# Altium PCB 4WD_V1.0 - 8.5完工.PcbDoc
Units mm, origin at the board's own origin, x right, y up, seen from the top; angles counter-clockwise.
Board outline 85 x 85 mm, 2 copper layers (Top Layer, Bottom Layer); 48 components, 40 nets, 179 pads, 0 vias.
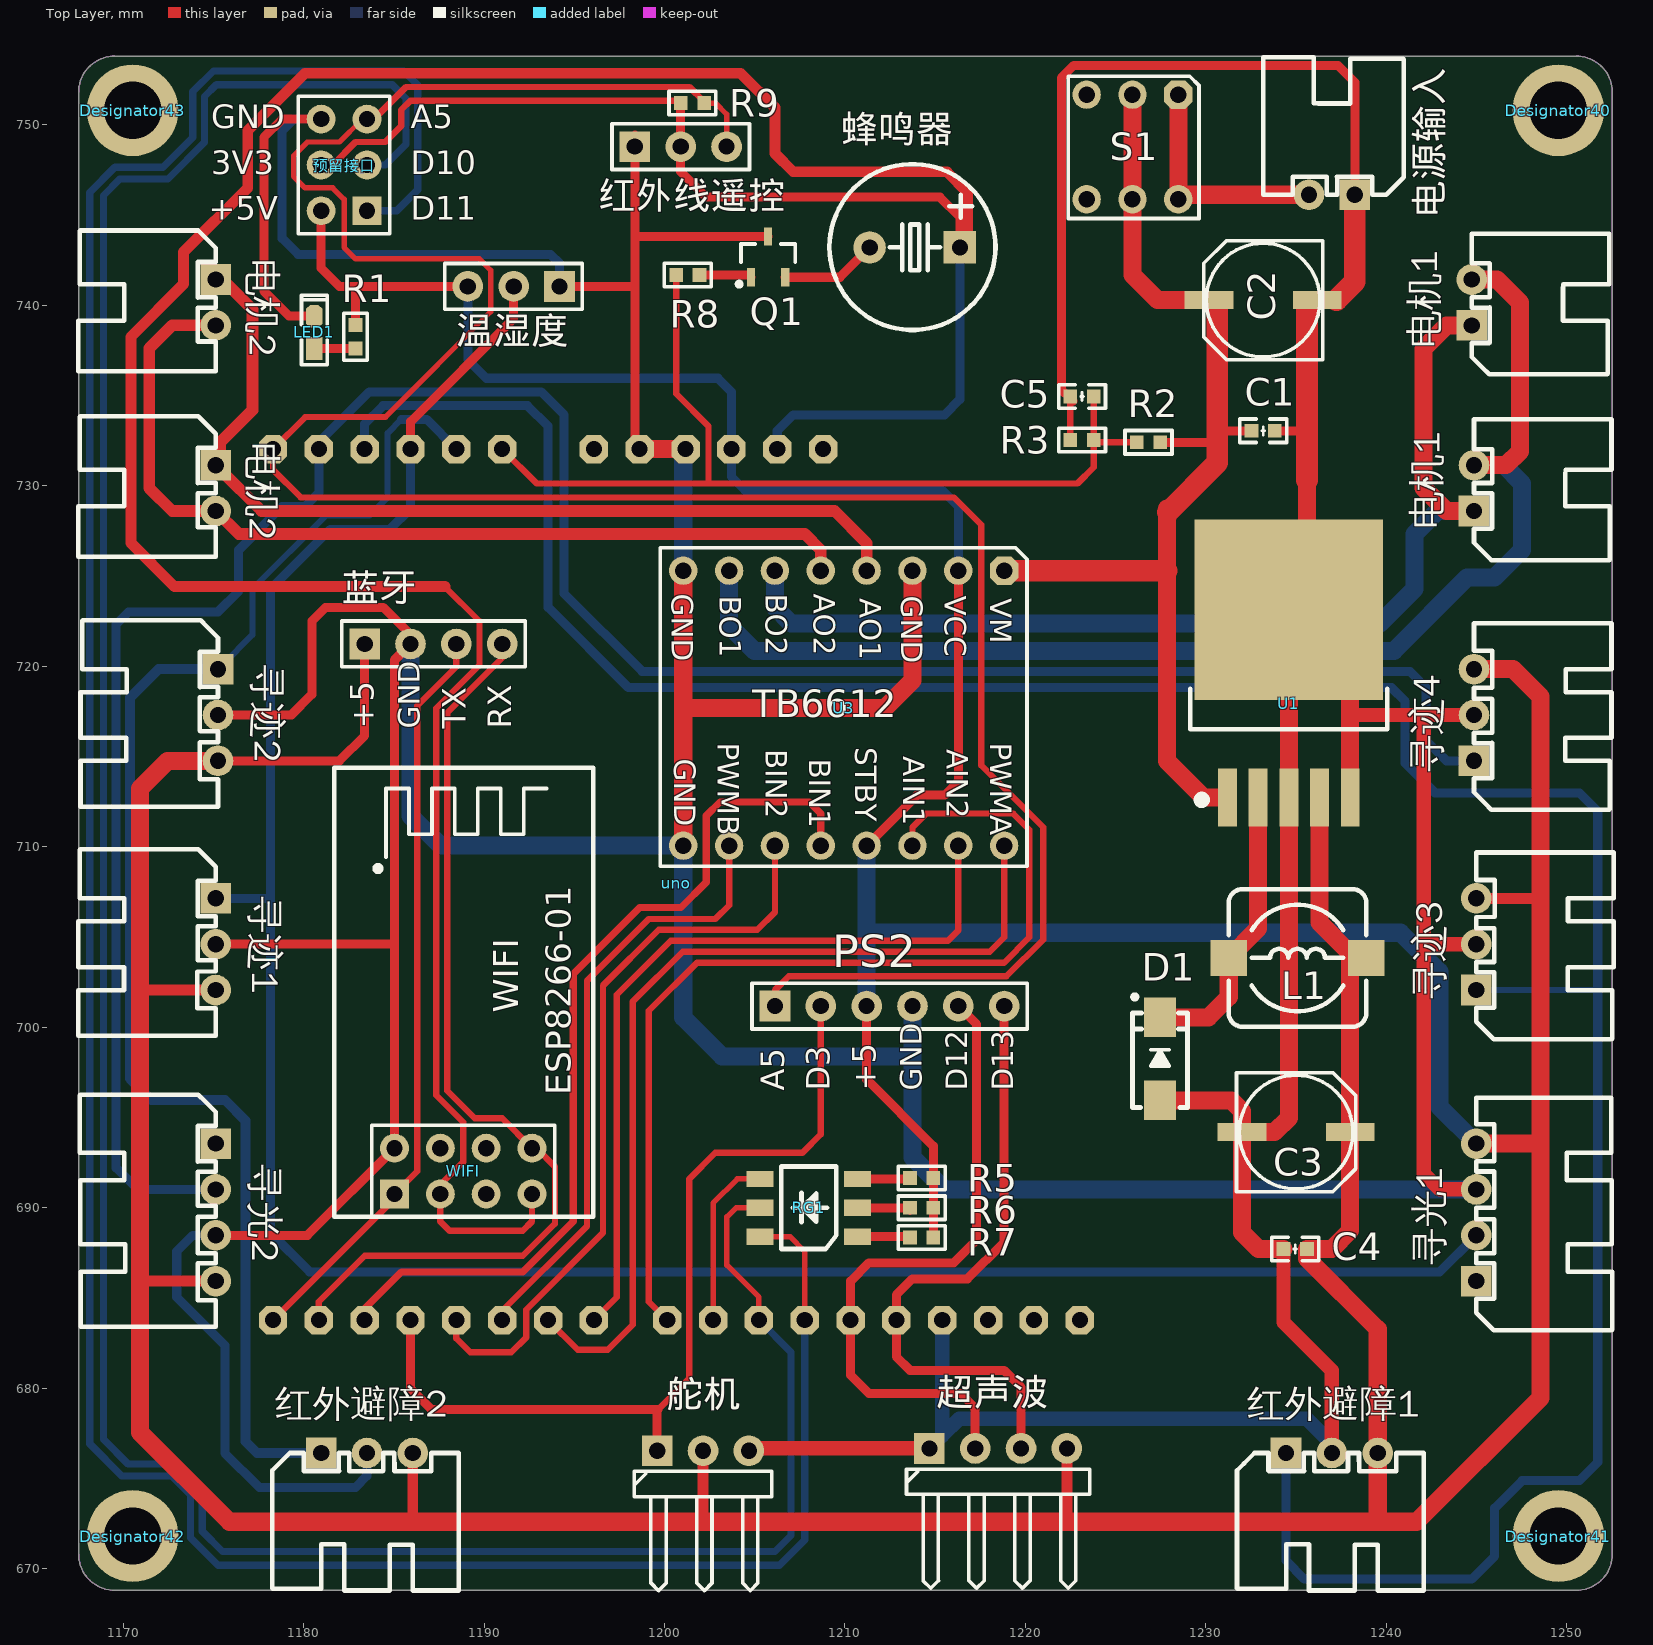
[diagram p0: Top Layer view]
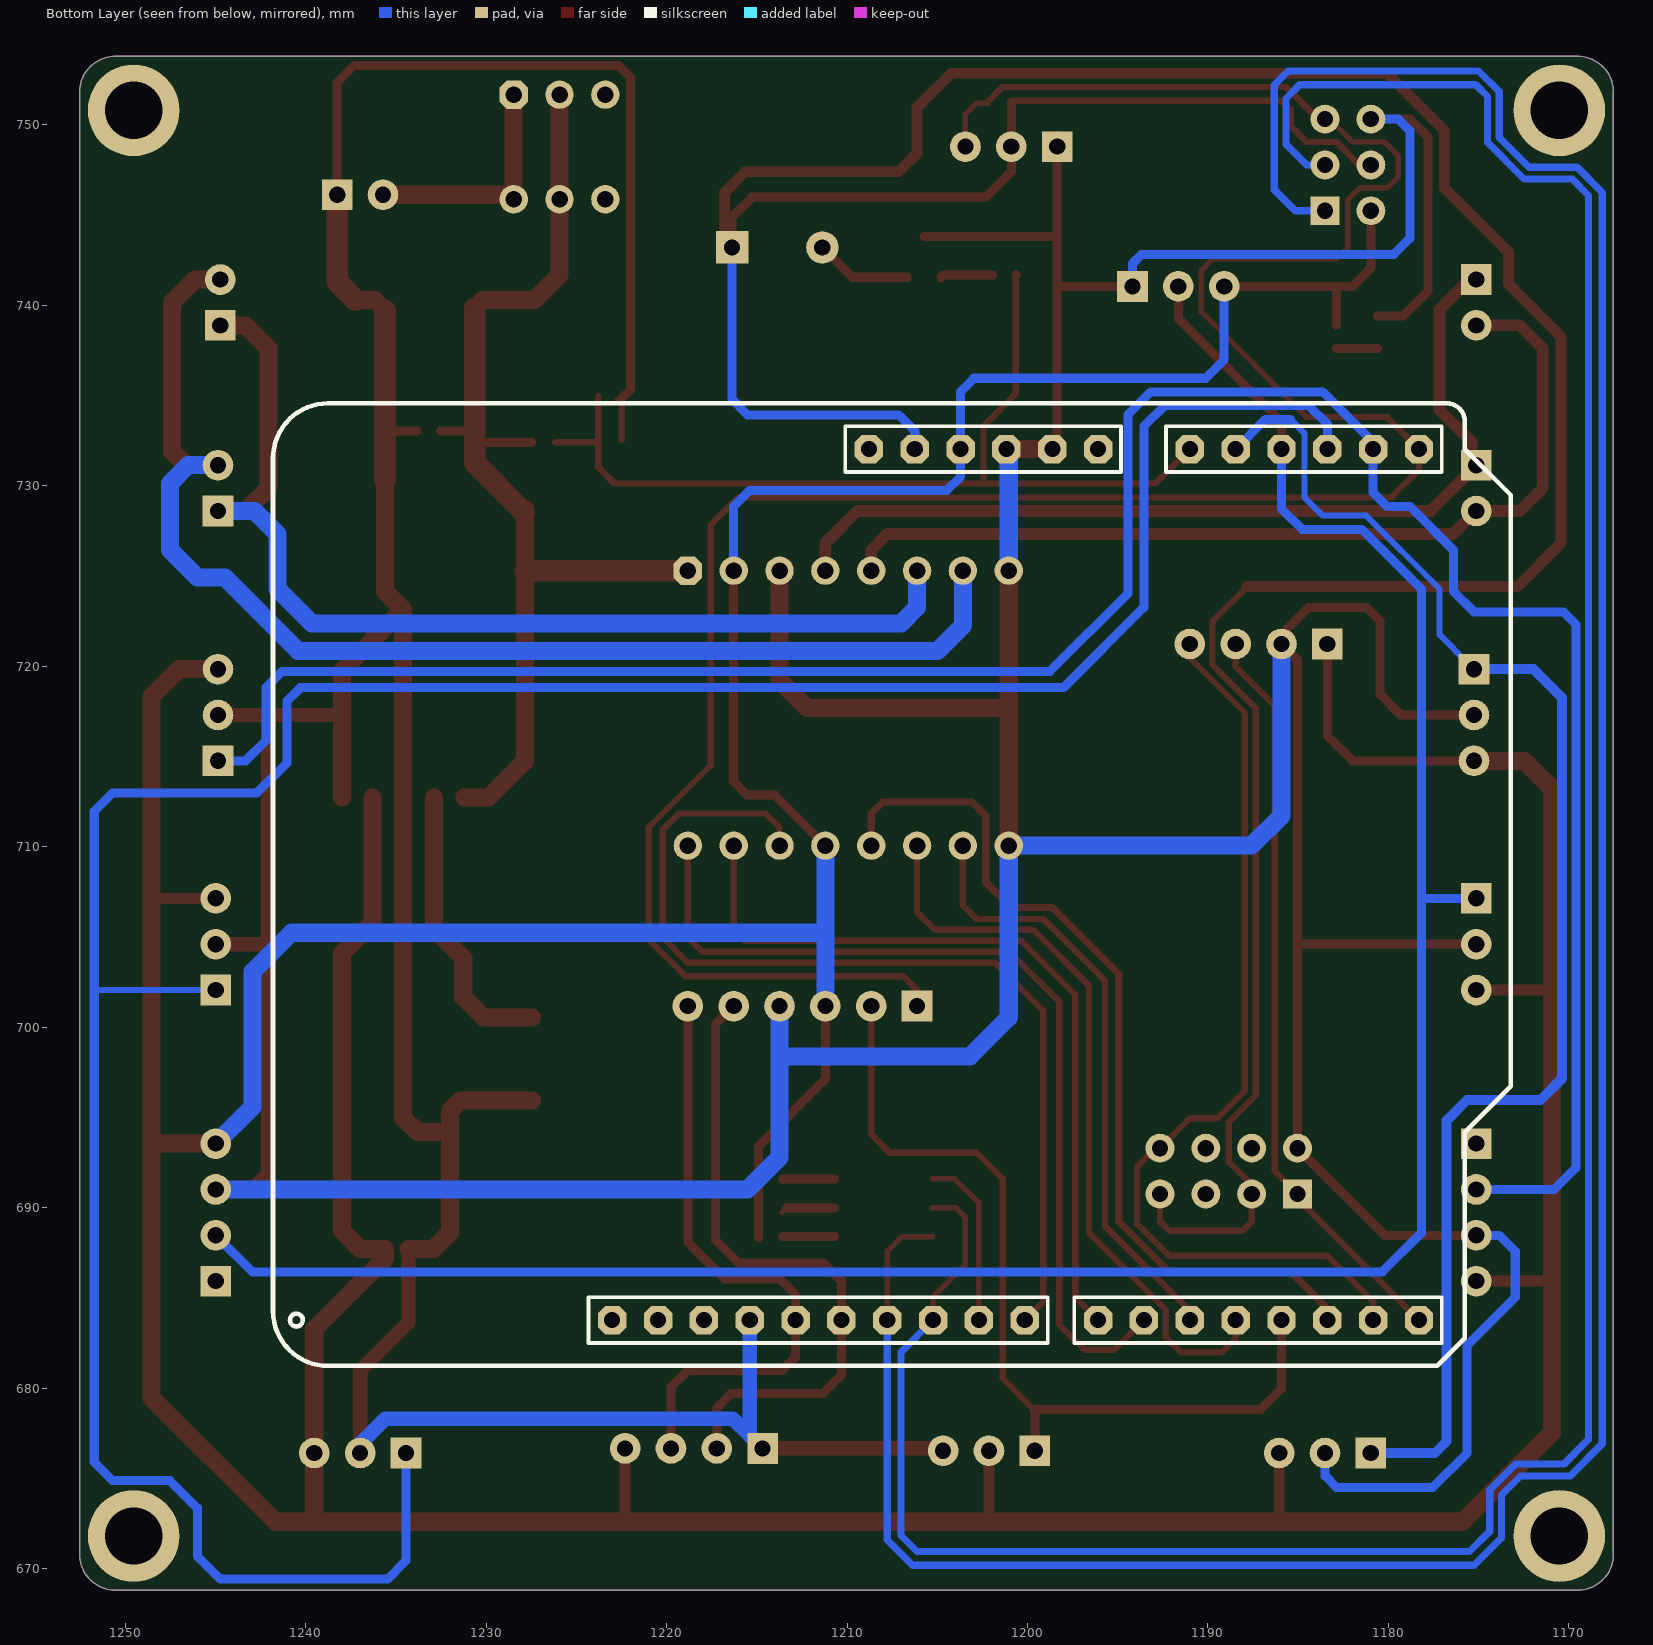
[diagram p1: Bottom Layer view, seen from below]

## Layer stack, top to bottom
Top Solder: solder mask 0.0102, Solder Resist, Dk 3.5
Top Layer: signal copper 0.0356
Dielectric 1: dielectric 0.32, FR-4, Dk 4.8
Bottom Layer: signal copper 0.0356
Bottom Solder: solder mask 0.0102, Solder Resist, Dk 3.5

## Board outline
1167.528,670.802 ccw(c1169.528,670.802) 1169.528,668.802 1250.528,668.802 ccw(c1250.528,670.802) 1252.528,670.802 1252.528,751.802 ccw(c1250.528,751.802) 1250.528,753.802 1169.528,753.802 ccw(c1169.528,751.802) 1167.528,751.802

## Design rules (kind name [scope] priority, off if disabled: settings)
Clearance [All] p1: gap=0.254
PolygonConnect [All] p1: connectstyle=Relief reliefconductorwidth=0.254 reliefentries=4 polygonreliefangle="90 Angle" airgapwidth=0.254
RoutingVias [All] p1: holewidth=0.711 width=1.27 viastyle="Through Hole" minholewidth=0.711 minwidth=1.27 maxholewidth=0.711 maxwidth=1.27
SolderMaskExpansion [All] p1: expansion=0.102
Width [All] p1: maxlimit=10 minlimit=0.254 preferedwidth=0.254
30 further rules are at their usual default settings.

## Classes and differential pairs
component class 4WD_V1.0: C1 C2 C3 C4 C5 D1 LED1 PS2 Q1 R1 R2 R3 R5 R6 R7 R8 R9 RG1 S1 U1 U3 WIFI 寻光1 寻光2 寻迹1 寻迹2 寻迹3 寻迹4 温湿度 电源输入 红外线遥控 红外避障1 红外避障2 舵机 蓝牙 蜂鸣器 超声波 预留接口

## Components (designator, comment, footprint, x,y, rotation, side; value= is the part's Value field where it differs from the comment)
C1 "Cap" "C 0603_L" 1233.17,733.044 r180 top
C2 "CAP4 电解电容" CAP6.3 1233.17,740.283 r0 top
C3 "CAP4 电解电容" CAP6.3 1234.996,694.182 r180 top
C4 "Cap" "C 0603_L" 1234.948,687.705 r0 top
C5 "Cap" "C 0603_L" 1223.137,734.949 r180 top
D1 "esd2" SMA 1227.455,698.246 r90 top
Designator40 "Comment" M3x10_L 1249.528,750.802 r0 top locked
Designator41 "Comment" M3x10_L 1249.528,671.802 r0 top locked
Designator42 "Comment" M3x10_L 1170.528,671.802 r0 top locked
Designator43 "Comment" M3x10_L 1170.528,750.802 r0 top locked
L1 "Comment" CDRH74 1235.075,703.834 r0 top
LED1 "LED3" "LED 0603Y" 1180.592,738.505 r90 top
PS2 "Header 6" HDR2.54-LI-6P 1212.469,701.167 r0 top (schematic designator P_PS2)
Q1 "8550" SOT23-3L 1205.738,742.696 r0 top
R1 "Res2" "R 0603_L" 1182.878,738.251 r270 top
R2 "Res2" "R 0603_L" 1226.82,732.409 r180 top
R3 "Res2" "R 0603_L" 1223.137,732.536 r180 top
R5 "Res2" "R 0603_L" 1214.247,691.642 r180 top
R6 "Res2" "R 0603_L" 1214.247,689.991 r180 top
R7 "Res2" "R 0603_L" 1214.247,688.34 r180 top
R8 "Res2" "R 0603_L" 1201.293,741.68 r180 top
R9 "Res2" "R 0603_L" 1201.547,751.205 r0 top
RG1 "RGB_LED_6" "LED 5050" 1207.986,689.991 r180 top
S1 "开关" SWITCH_SELFLOCKING 1228.471,751.671 r180 top locked
U1 "LM2596-5" TO263-5A 1234.596,712.724 r0 top
U3 "TB6612" TB6612 1218.819,725.297 r180 top
uno "Comment" UNO_PIN_back 1178.306,683.768 r0 top locked
WIFI "Header 4X2" wifi 1188.847,692.023 r90 top locked
寻光1 "Header 4" XH2.54-WI-4P 1244.981,689.737 r90 top locked (schematic designator PSEEKLIGHT1)
寻光2 "Header 4" XH2.54-WI-4P 1175.131,689.737 r270 top locked (schematic designator PSEEKLIGHT2)
寻迹1 "Header 3" XH2.54-WI-3P 1175.131,704.596 r270 top locked (schematic designator PTRACING1)
寻迹2 "Header 3" XH2.54-WI-3P 1175.258,717.296 r270 top locked (schematic designator PTRACING2)
寻迹3 "Header 3" XH2.54-WI-3P 1244.981,704.596 r90 top locked (schematic designator PTRACING3)
寻迹4 "Header 3" XH2.54-WI-3P 1244.854,717.296 r90 top locked (schematic designator PTRACING4)
温湿度 "温湿度" HDR2.54-M-LI-3P 1191.641,741.045 r180 top (schematic designator P_TMP_WET)
电机1 "Comment" XH2.54-WI-2P 1244.854,729.869 r90 top locked
电机1 "Comment" XH2.54-WI-2P 1244.727,740.156 r90 top locked
电机2 "Comment" XH2.54-WI-2P 1175.131,729.869 r270 top locked
电机2 "Comment" XH2.54-WI-2P 1175.131,740.156 r270 top locked
电源输入 "接线端子" XH2.54-WI-2P 1236.98,746.125 r180 top locked (schematic designator P2)
红外线遥控 "红外遥控" HDR2.54-M-LI-3P 1200.897,748.792 r0 top (schematic designator P_IR_REMOTE)
红外避障1 "Header 3" XH2.54-WI-3P 1236.98,676.402 r0 top locked (schematic designator PIR_AVOIDANCE1)
红外避障2 "Header 3" XH2.54-WI-3P 1183.513,676.402 r0 top locked (schematic designator PIR_AVOIDANCE2)
舵机 "Header 3" HDR2.54-WI-3P 1202.135,676.529 r0 top locked (schematic designator PSTEER1)
蓝牙 "serial_blu" HDR2.54-M-LI-4P 1187.196,721.233 r0 top (schematic designator P7)
蜂鸣器 "Bell" "BEEP 5x9x5.5" 1213.866,743.204 r90 top locked (schematic designator LS1)
超声波 "Header 4" HDR2.54-WI-4P 1218.486,676.656 r0 top locked (schematic designator P_ULTRASONIC)
预留接口 "预留接口" HDR2.54-LI-2x3P 1182.243,747.776 r90 top locked (schematic designator P_INTERFACE)

## Footprints (in the part's own frame and the unit in brackets; to place one, negate y for a bottom-side part, rotate by r counter-clockwise, add the part's x,y. Pads: shape width x height; smd on the part's side, far side on the other; paste and mask are expansions set on the pad)
"BEEP 5x9x5.5" [mm] "5*9*5.5mm(脚距,直径,高度)"
  rect 1.8x1.8 hole 0.9: 1(0,-2.5)
  round 1.8 hole 0.9: 2(0,2.5)
  silkscreen extent -4.57,-4.47 4.62,4.73, body extent -4.5,-4.5 4.5,4.5, height 5.45
"C 0603_L" [mil] "无极性贴片电容"
  rect 30x30 smd: 1(-25.59,0) 2(25.59,0)
  silkscreen extent -51,-26 51,26, body extent -31,-16 31,16, height 32
CAP6.3 [mm] "直径6.3mm（蒜米工坊）"
  rect 2.7x1 smd: 1(-3,0) 2(3,0)
  silkscreen extent -3.3,-3.3 3.3,3.3, body extent -3.5,-3.3 3.5,3.3, height 5.2
CDRH74 [mm] "7.3*7.3*4.5mm（长宽高）"
  rect 2x2 smd: 1(-3.81,0) 2(3.81,0)
  silkscreen extent -3.81,-3.81 3.81,3.81, body extent -3.65,-3.65 3.65,3.65, height 4.5
HDR2.54-LI-2x3P [mm] "双排排针，3x2脚"
  rect 1.6x1.6 hole 0.9: 1(-2.54,-1.27)
  round 1.6 hole 0.9: 2(-2.54,1.27) 3(0,-1.27) 4(0,1.27) 5(2.54,-1.27) 6(2.54,1.27)
  silkscreen extent -3.81,-2.54 3.81,2.54, body extent -3.81,-2.54 3.81,2.54, height 8.5
HDR2.54-LI-6P [mm] "排针，6脚"
  rect 1.7x1.7 hole 0.9: 1(-6.35,0)
  round 1.7 hole 0.9: 2(-3.81,0) 3(-1.27,0) 4(1.27,0) 5(3.81,0) 6(6.35,0)
  silkscreen extent -7.62,-1.27 7.62,1.27, body extent -7.62,-1.27 7.62,1.27, height 8.5
HDR2.54-M-LI-3P [mm] "排母，3脚"
  rect 1.7x1.7 hole 0.9: 1(-2.54,0)
  round 1.7 hole 0.9: 2(0,0) 3(2.54,0)
  silkscreen extent -3.81,-1.27 3.81,1.27, body extent -3.81,-1.27 3.81,1.27, height 8.5
HDR2.54-M-LI-4P [mm] "排母，4脚"
  rect 1.7x1.7 hole 0.9: 1(-3.81,0)
  round 1.7 hole 0.9: 2(-1.27,0) 3(1.27,0) 4(3.81,0)
  silkscreen extent -5.08,-1.27 5.08,1.27, body extent -5.08,-1.27 5.08,1.27, height 8.5
HDR2.54-WI-3P [mm] "弯脚排针，3脚"
  rect 1.7x1.7 hole 0.9: 1(-2.54,0)
  round 1.7 hole 0.9: 2(0,0) 3(2.54,0)
  silkscreen extent -3.81,-7.76 3.81,-1.14, body extent -3.81,-7.77 3.81,1.27, height 4.85
HDR2.54-WI-4P [mm] "弯脚排针，4脚"
  rect 1.7x1.7 hole 0.9: 1(-3.81,0)
  round 1.7 hole 0.9: 2(-1.27,0) 3(1.27,0) 4(3.81,0)
  silkscreen extent -5.08,-7.76 5.08,-1.14, body extent -5.08,-7.77 5.08,1.27, height 4.85
"LED 0603Y" [mil] "黄色0603LED"
  rect 50x35 smd: 1(-35,0)
  oct 50x35 smd: 2(35,0)
  silkscreen extent -71,-28 81,28, body extent -32,-16 31,16, height 18
"LED 5050" [mm] "白色5050LED"
  rect 1.5x0.9 smd: 1(-2.705,1.6) 2(2.705,1.6) 3(-2.705,0) 4(2.705,0) 5(-2.705,-1.6) 6(2.705,-1.6)
  silkscreen extent -1.52,-2.29 1.52,2.29, body extent -2.7,-2.5 2.7,2.5, height 1.65
M3x10_L [mm] "M3铜柱，长：10mm"
  round 5.08 hole 3.175: 1(0,0)
  body extent -2.7,-2.35 2.7,2.35, height 10.05
"R 0603_L" [mil] "1/10W贴片电阻"
  rect 30x30 smd: 1(-25.59,0) 2(25.59,0)
  silkscreen extent -51,-26 51,26, body extent -31,-16 32,16, height 16
SMA [mm] "4.5x2.6*2.2mm（长宽高，不包括引脚）"
  rect 2.2x1.75 smd: 1(-2.3,0) 2(2.3,0)
  silkscreen extent -2.7,-1.52 3.56,1.52, body extent -2.53,-1.3 2.58,1.3, height 2.15
SOT23-3L [mm] "3x1.3x1mm(长宽高)"
  rect 0.45x1 smd: 1(-0.95,-1.143) 2(0.95,-1.143) 3(0,1.125)
  silkscreen extent -1.72,-1.65 1.5,0.7, body extent -1.5,-1.2 1.5,1.2, height 1.05
SWITCH_SELFLOCKING [mil]
  oct 62x62 hole 36: 1(0,0)
  round 62 hole 36: 2(100,0) 3(200,0) 4(0,228.35) 5(100,228.35) 6(200,228.35)
  silkscreen extent -45,-40 240,270, body extent -55,-42 260,272, height 516
TB6612 [mil]
  oct 62x62 hole 36: 1(0,0)
  round 62 hole 36: 2(100,0) 3(200,0) 4(300,0) 5(400,0) 6(500,0) 7(600,0) 8(700,0) 9(700,600) 10(600,600) 11(500,600) 12(400,600) 13(300,600) 14(200,600) 15(100,600) 16(0,600)
  silkscreen extent -50,-50 750,645, body extent -50,-50 750,650, height 335
TO263-5A [mm] "263，5脚晶体管"
  rect 1.05x3.2 smd: 1(-3.4,0) 2(-1.7,0) 3(0,0) 4(1.7,0) 5(3.4,0)
  rect 10.45x10 smd: 3(0,10.414)
  silkscreen extent -5.46,-0.33 5.46,6.04, body extent -5,-0.01 5,13.32, height 4.5
UNO_PIN_back [mil]
  oct 62x62 hole 35: 0(0,0) 0(0,0) 1(100,0) 2(200,0) 3(300,0) 4(400,0) 5(500,0) 6(600,0) 7(700,0) 8(860,0) 9(960,0) 10(1060,0) 11(1160,0) 12(1260,0) 13(1360,0) 14(1460,0) 15(1560,0) 16(1660,0) 17(1760,0) 18(0,1900) 19(100,1900) 20(200,1900) 21(300,1900) 22(400,1900) 23(500,1900) 24(700,1900) 25(800,1900) 26(900,1900) 27(1000,1900) 28(1100,1900) 29(1200,1900)
  body extent -50,-50 1810,1950, height 118
wifi [mm] "双排排针，4x2脚"
  rect 1.6x1.6 hole 0.9: 1(-1.27,3.81)
  round 1.6 hole 0.9: 2(1.27,3.81) 3(-1.27,1.27) 4(1.27,1.27) 5(-1.27,-1.27) 6(1.27,-1.27) 7(-1.27,-3.81) 8(1.27,-3.81)
  silkscreen extent -2.54,-7.2 22.34,7.15, body extent -2.54,-5.08 2.54,5.08, height 8.5
XH2.54-WI-2P [mm] "接插件，2P"
  rect 1.7x1.7 hole 0.9: 1(-1.27,0)
  round 1.7 hole 0.9: 2(1.27,0)
  silkscreen extent -3.99,-7.62 3.81,0, body extent -3.77,-7.35 3.77,0.35, height 5.73
XH2.54-WI-3P [mm] "接插件，3P"
  rect 1.7x1.7 hole 0.9: 1(-2.54,0)
  round 1.7 hole 0.9: 2(0,0) 3(2.54,0)
  silkscreen extent -5.26,-7.62 5.08,0, body extent -5.04,-7.35 5.04,0.35, height 5.73
XH2.54-WI-4P [mm] "接插件，4P"
  rect 1.7x1.7 hole 0.9: 1(-3.81,0)
  round 1.7 hole 0.9: 2(-1.27,0) 3(1.27,0) 4(3.81,0)
  silkscreen extent -6.53,-7.53 6.35,0, body extent -6.31,-7.35 6.31,0.35, height 5.73

## Part data
C1 C2 C3 C4 C5: "Capacitor"
D1: library part DIODE2
LED1: library part LED2, "Typical RED, GREEN, YELLOW, AMBER GaAs LED"
PS2: "Header, 6-Pin"
Q1: library part 2N3906, "PNP General Purpose Amplifier"
R1 R2 R3 R5 R6 R7 R8 R9: "Resistor"
S1: library part switch
U1: library part LM2560-5
WIFI: "Header, 4-Pin, Dual row"
寻光1 寻光2 超声波: "Header, 4-Pin"
寻迹1 寻迹2 寻迹3 寻迹4 红外避障1 红外避障2 舵机: "Header, 3-Pin"
温湿度 红外线遥控: library part "Header 3", "Header, 3-Pin"
电源输入: library part PIN2
蓝牙: library part "Header 4", "Header, 4-Pin"
蜂鸣器: "Electrical Bell"
预留接口: library part "Header 3X2", "Header, 3-Pin, Dual row"

## Nets (pads, with @x,y where several pads share a name; then routed paths per layer and width w, separated by ;. In a path a pad name is that pad's centre, name@x,y a point inside that pad or via, vN(x,y) a via of type N, cw(c..) or ccw(c..) an arc to the next point about the centre after c; other vN are vias at no path point)
+5V: C3.1 C4.2 L1.2 PS2.3 R1.1 R5.1 R6.1 R7.1 U1.4 U3.2 U3.13 uno.27 寻光1.4 寻光2.4 寻迹1.3 寻迹2.3 寻迹3.3 寻迹4.3 温湿度.3 红外避障1.3 红外避障2.3 舵机.2 蓝牙.1 超声波.4 预留接口.2 | length 391.4
  Top Layer w0.5: 寻迹2.3 1181.989,714.756 1183.386,716.153 蓝牙.1 ; 预留接口.2 1180.973,742.061 1181.989,741.045 1182.878,741.045 ; R1.1 1182.878,741.045 ; 温湿度.3 1182.878,741.045 ; PS2.3 1211.199,697.103 1214.897,693.405 R5.1 R6.1 R7.1 ; U3.13 1213.993,712.851 1215.517,712.851 1216.279,713.613 U3.2
  Top Layer w0.6: 1170.94,686.054 1171.067,685.927 寻光2.4 ; 1170.94,702.437 1171.321,702.056 寻迹1.3 ; 1185.799,672.592 1186.053,672.846 红外避障2.3 ; 1202.055,672.592 1202.135,672.672 舵机.2 ; 超声波.4 1222.296,672.798 1222.502,672.592 ; 1239.393,672.592 1239.52,672.719 ; 寻迹3.3 1248.537,707.136
  Top Layer w1: 寻迹2.3 1172.464,714.756 1170.94,713.232 1170.94,702.437 1170.94,686.054 1170.94,677.545 1175.893,672.592 1185.799,672.592 1202.055,672.592 1222.502,672.592 1239.393,672.592 1241.679,672.592 1248.537,679.45 1248.537,693.547 ; U1.4 1236.296,705.788 1237.996,704.088 C3.1 1237.996,688.721 1236.98,687.705 C4.2 1235.598,687.182 1239.52,683.26 红外避障1.3 1239.52,672.719 ; 寻迹4.3 1247.013,719.836 1248.537,718.312 1248.537,707.136 1248.537,693.547 ; 寻光1.4 1248.537,693.547
  Bottom Layer w0.5: 温湿度.3 1189.101,736.981 1190.125,735.957 1202.952,735.957 1203.706,735.203 uno.27 1203.706,730.504 1204.468,729.742 1215.39,729.742 1216.279,728.853 U3.2
  Bottom Layer w1: PS2.3 1211.199,705.231 ; U3.13 1211.199,705.231 ; 寻光1.4 1242.949,695.579 1242.949,703.072 1240.79,705.231 1211.199,705.231
A0: C5.1 R2.2 R3.1 R8.2 uno.23 | length 52.6
  Top Layer w0.35: uno.23 1192.911,730.123 1202.436,730.123 ; R8.2@1200.643,741.665 1200.643,735.091 1202.436,733.298 1202.436,730.123 ; C5.1 R3.1 ; R2.2 1223.914,732.409 R3.1 ; 1202.436,730.123 1222.883,730.123 1223.787,731.027 R3.1
  Top Layer w0.5: R8.2@1200.643,741.665 R8.2
A1: uno.22 寻迹2.1 红外避障2.1 | length 79.7
  Bottom Layer w0.33: 寻迹2.1@1175.512,720.09 1177.163,721.741 1177.163,724.281 1181.227,728.345 1183.64,728.345 1184.656,729.361 1184.656,732.917 1185.418,733.679
  Bottom Layer w0.5: 红外避障2.1@1180.885,676.49 红外避障2.1 ; 1185.418,733.679 1186.815,733.679 uno.22 uno.22@1188.466,732.536
  Bottom Layer w0.55: 寻迹2.1 1171.956,719.836 1170.391,718.271 1170.391,697.144 1171.575,695.96 1175.639,695.96 1176.782,694.817 1176.782,677.037 1177.417,676.402 红外避障2.1
A2: uno.21 寻光1.2 寻迹1.1 温湿度.2 | length 131.4
  Top Layer w0.5: uno.21 1185.926,733.552 1191.641,739.267 温湿度.2
  Bottom Layer w0.5: 寻迹1.1 1178.052,707.136 1178.179,707.009 ; uno.21 1185.926,728.726 1184.783,727.583 1181.481,727.583 1178.179,724.281 1178.179,707.009 ; 寻光1.2@1244.854,688.34 1242.949,686.435 1180.338,686.435 1178.179,688.594 1178.179,707.009
A3: uno.20 寻迹3.1 红外避障1.1 | length 158.1
  Bottom Layer w0.35: 寻迹3.1 1251.585,702.056 1251.712,701.929
  Bottom Layer w0.5: uno.20 1183.386,733.425 1184.402,734.441 1192.403,734.441 1193.546,733.298 1193.546,723.265 1197.991,718.82 1240.282,718.82 1241.044,718.058 1241.044,714.629 1242.695,712.978 1250.696,712.978 1251.712,711.962 1251.712,701.929 1251.712,675.894 1250.696,674.878 1247.521,674.878 1245.997,673.354 1245.997,670.687 1244.727,669.417 1235.456,669.417 1234.44,670.433 红外避障1.1
A4: uno.19 寻光2.2 寻迹4.1 | length 135.7
  Bottom Layer w0.5: 寻光2.2 1170.813,691.007 1169.612,692.208 1169.612,722.318 1170.305,723.011 1175.258,723.011 1176.401,724.154 1176.401,726.44 1178.814,728.853 1180.084,728.853 1180.846,729.615 uno.19 1180.846,732.409 1183.64,735.203 1193.165,735.203 1194.435,733.933 1194.435,724.027 1198.753,719.709 1241.298,719.709 1242.187,718.82 1242.187,715.899 1243.33,714.756 寻迹4.1
A5: PS2.1 R9.2 uno.18 红外线遥控.3 预留接口.5 | length 144.2
  Top Layer w0.3: 预留接口.5@1183.196,750.252 1181.989,749.046 1180.211,749.046 1179.449,748.284 1179.449,747.141 1180.084,746.506 1181.608,746.506 1182.243,745.871 1182.243,743.204 1182.878,742.569 1189.736,742.569 1190.371,741.934 1190.371,739.648 1184.529,733.806 ; R9.2 1202.817,751.205 1203.437,750.585 红外线遥控.3
  Top Layer w0.35: 预留接口.5@1183.513,750.57 1184.148,750.57 1185.672,752.094 1201.385,752.094 R9.2@1202.163,751.316 ; 1184.529,733.806 1180.084,733.806 uno.18 1178.306,730.885 1179.838,729.353 1216.033,729.353 1217.549,727.837 1217.549,714.502 1220.978,711.073 1220.978,704.85 1218.946,702.818 1206.881,702.818 1206.119,702.056 PS2.1 PS2.1@1206.119,700.659
AIN1: U3.14 uno.8 | length 54.5
  Top Layer w0.35: uno.8 1199.134,684.784 1199.134,700.913 1201.798,703.577 1218.816,703.577 1220.216,704.977 1220.216,710.946 1219.327,711.835 1214.501,711.835 1213.739,711.073 U3.14
AIN2: U3.15 uno.7 | length 43.7
  Top Layer w0.35: uno.7 1197.356,685.038 1197.356,701.802 1200.339,704.785 1215.706,704.785 1216.279,705.358 U3.15
AO1: U3.4 电机2.1 | length 51.4
  Top Layer w0.65: 电机2.1@1175.131,741.426 1175.512,741.426 1177.163,739.775 1177.163,734.187 1175.385,732.409 1175.385,730.885 1177.671,728.599 1209.421,728.599 1211.199,726.821 U3.4
AO2: U3.5 电机2.2 | length 51.7
  Top Layer w0.65: 电机2.2@1175.131,738.886 1172.718,738.886 1171.448,737.616 1171.448,729.869 1172.718,728.599 1175.131,728.599 1176.401,727.329 1207.77,727.329 1208.659,726.44 U3.5
BIN1: U3.12 uno.2 | length 49.8
  Top Layer w0.4: uno.2 1183.386,684.403 1185.418,686.435 1192.15,686.435 1194.943,689.228 1194.943,702.945 1198.626,706.628 1200.912,706.628 1202.309,708.025 1202.309,711.708 1203.071,712.47 1208.024,712.47 1208.659,711.835 U3.12
BIN2: U3.11 uno.4 | length 41.7
  Top Layer w0.35: uno.4 1188.466,682.752 1189.228,681.99 1191.514,681.99 1192.33,682.806 1192.33,684.339 1196.594,688.604 1196.594,702.31 1199.673,705.389 1205.134,705.389 1206.119,706.374 U3.11
BO1: U3.7 电机1.2 | length 71
  Top Layer w1: 电机1.2@1244.727,741.426 1246.124,741.426 1247.394,740.156 1247.394,731.901 1246.632,731.139 电机1.2@1244.854,731.139
  Bottom Layer w1: U3.7 1203.579,722.249 1204.976,720.852 1240.409,720.852 1244.473,724.916 1245.997,724.916 1247.521,726.44 1247.521,730.123 1246.505,731.139 电机1.2@1244.854,731.139
BO2: U3.6 电机1.1 | length 59.8
  Top Layer w1: 电机1.1@1244.727,738.886 1243.33,738.886 1242.06,737.616 1242.06,729.869 1243.33,728.599 电机1.1@1244.854,728.599
  Bottom Layer w1: U3.6 1206.119,723.265 1207.008,722.376 1239.647,722.376 1241.552,724.281 1241.552,727.329 1242.822,728.599 电机1.1@1244.854,728.599
CH_PD: R9.1 uno.28 WIFI.3 WIFI.7 红外线遥控.2 蜂鸣器.1 预留接口.4 | length 202.2
  Top Layer w0.33: 1187.831,724.408 1189.736,722.503 1189.736,720.055
  Top Layer w0.35: 预留接口.4 1181.608,747.776 1182.878,749.046 1184.529,749.046 1185.418,749.935 1185.418,750.824 1185.926,751.332 R9.1@1200.897,751.332 ; 1189.736,720.055 1187.354,717.673 1187.354,696.218 1188.847,694.725 1188.847,692.531 1187.577,691.261 WIFI.3 1187.577,689.229 1188.085,688.721 1192.149,688.721 1192.657,689.229 WIFI.7
  Top Layer w0.5: R9.1 红外线遥控.2 1200.897,747.41 1202.309,745.998 1215.263,745.998 1216.366,744.895 蜂鸣器.1 ; uno.28 uno.28@1206.246,732.282
  Top Layer w0.6: 1187.831,724.408 1172.845,724.408 1170.432,726.821 1170.432,738.251 1173.353,741.172 1173.353,742.95 1176.909,746.506 1176.909,749.681 1180.084,752.856 1204.214,752.856 1206.119,750.951 1206.119,748.411 1207.135,747.395 1215.644,747.395 1216.787,746.252 蜂鸣器.1@1216.787,742.95
  Bottom Layer w0.5: uno.28 1206.246,733.044 1207.135,733.933 1215.517,733.933 1216.366,734.782 蜂鸣器.1
D0: uno.0 WIFI.1 蓝牙.3 | length 41.7
  Top Layer w0.35: uno.0@1178.306,683.768 1185.037,690.499 WIFI.1 1186.307,692.023 1186.307,717.804 1188.466,719.963 蓝牙.3
D1: uno.1 WIFI.8 蓝牙.4 | length 52.8
  Top Layer w0.35: uno.1 1180.846,684.784 1183.386,687.324 1192.149,687.324 1193.927,689.102 1193.927,692.277 1192.911,693.293 WIFI.8 1191.006,694.944 1189.482,694.944 1187.958,696.468 1187.958,717.423 1191.006,720.471 蓝牙.4
D3: PS2.2 uno.3 舵机.1 | length 49.2
  Top Layer w0.35: 1199.642,678.815 1201.366,680.539 1201.366,691.588 1202.817,693.039 1207.643,693.039 1208.659,694.055 PS2.2
  Top Layer w0.5: uno.3 1185.926,679.958 1187.069,678.815 1199.642,678.815 1199.595,678.768 舵机.1
D5: U3.10 uno.5 | length 33.7
  Top Layer w0.35: uno.5 1191.006,684.276 1195.705,688.975 1195.705,702.564 1199.134,705.993 1202.817,705.993 1203.579,706.755 U3.10
D6: U3.16 uno.6 | length 51
  Top Layer w0.35: uno.6 1195.197,682.117 1196.848,682.117 1198.245,683.514 1198.245,701.421 1201.005,704.181 1218.023,704.181 1218.819,704.977 U3.16
D9: RG1.6 uno.9 | length 9.6
  Top Layer w0.3: uno.9 1202.69,690.245 1204.036,691.591 RG1.6
D10: RG1.4 uno.10 预留接口.3 | length 158.8
  Top Layer w0.3: uno.10 1205.23,685.038 1203.452,686.816 1203.452,689.483 1203.96,689.991 RG1.4
  Bottom Layer w0.4: 预留接口.3 1184.529,747.776 1185.672,748.919 1185.672,751.459 1184.91,752.221 1175.167,752.221 1174.515,751.569 1174.515,749.029 1172.481,746.995 1169.814,746.995 1168.908,746.089 1168.908,677.164 1170.286,675.786 1172.953,675.786 1174.388,674.351 1174.388,672.065 1175.512,670.941 1206.119,670.941 1207.008,671.83 1207.008,681.99 uno.10
D11: RG1.2 uno.11 预留接口.1 | length 164.7
  Top Layer w0.3: RG1.2 1206.957,688.391 1207.77,687.578 uno.11
  Bottom Layer w0.4: 预留接口.1 1185.164,745.236 1186.326,746.398 1186.326,752.202 1185.545,752.983 1175.004,752.983 1173.861,751.84 1173.861,749.3 1172.21,747.649 1169.543,747.649 1168.146,746.252 1168.146,676.91 1169.924,675.132 1172.682,675.132 1173.734,674.08 1173.734,671.703 1175.258,670.179 1206.373,670.179 1207.77,671.576 uno.11 uno.11@1207.77,684.022
D12: PS2.5 uno.12 超声波.2 | length 36.4
  Top Layer w0.5: PS2.5 1217.295,700.151 1217.295,688.213 1216.025,686.943 1211.326,686.943 1210.31,685.927 uno.12 1210.31,680.72 1211.326,679.704 1216.406,679.704 1217.216,678.894 超声波.2
D13: PS2.6 uno.13 超声波.3 | length 34.7
  Top Layer w0.5: PS2.6 1218.819,688.086 1216.787,686.054 1213.739,686.054 1212.85,685.165 uno.13 1212.85,681.736 1213.612,680.974 1218.819,680.974 1219.756,680.037 超声波.3
GND: C1.1 C2.2 C3.2 C4.1 C5.2 D1.1 LED1.2 PS2.4 Q1.3 R3.2 U1.3 U1.5 U3.3 U3.8 U3.9 uno.14 uno.25 uno.26 WIFI.2 寻光1.3 寻光2.3 寻迹1.2 寻迹2.2 寻迹3.2 寻迹4.2 温湿度.1 电源输入.1 红外线遥控.1 红外避障1.2 红外避障2.2 舵机.3 蓝牙.2 超声波.1 预留接口.6 | length 514.5
  Top Layer w0.35: R3.2 1222.487,734.837 C5.2
  Top Layer w0.5: 寻光2.3 1180.211,688.467 WIFI.2 ; 寻迹1.2 1185.037,704.596 ; 寻迹2.2 1179.322,717.296 1180.465,718.439 1180.465,722.503 1181.227,723.265 1184.402,723.265 1185.926,721.741 蓝牙.2 1185.037,720.344 1185.037,704.596 ; LED1.2 1179.195,739.394 1177.798,740.791 1177.798,749.3 1178.814,750.316 预留接口.6 ; WIFI.2@1185.037,693.166 WIFI.2 ; 温湿度.1 1198.372,741.045 ; uno.25@1198.372,732.028 1198.372,741.045 ; 红外线遥控.1@1198.372,749.427 1198.372,743.966 ; Q1.3 1198.517,743.821 1198.372,743.966 ; C5.2@1222.629,734.695 1222.487,734.837 1221.994,735.33 1221.994,752.602 1222.683,753.291 1237.307,753.291 1238.25,752.348 电源输入.1 ; C1.1 1235.598,733.044 ; WIFI.2 1185.037,704.596 ; 1198.372,741.045 1198.372,743.966
  Top Layer w0.8: 舵机.3 1204.802,676.656 超声波.1 ; C4.1 1234.298,683.656 1236.98,680.974 红外避障1.2 ; 1237.996,717.042 1238.25,717.296 1242.06,717.296 ; 寻迹4.2 1242.06,717.296 ; 寻光1.3 1242.949,691.007 1242.06,691.896 1242.06,704.85 ; 寻迹3.2 1242.314,704.596 1242.06,704.85 ; 1242.06,704.85 1242.06,717.296
  Top Layer w1: uno.25@1198.372,732.028 uno.25 uno.26 uno.26@1201.039,731.901 ; U3.9 1201.039,717.677 ; U3.8 1201.039,717.677 ; U3.3 1213.739,719.201 1212.215,717.677 1201.039,717.677 ; D1.1 1231.406,695.946 1231.996,695.356 C3.2 ; C4.1 1232.916,687.705 1231.996,688.625 C3.2 ; 1235.598,730.304 1235.598,724.14 U1.3@1234.596,723.138 ; 1235.598,739.711 C2.2 C2.2@1237.234,740.283 ; U1.5 1237.996,717.042 1237.996,719.738 U1.3@1234.596,723.138 ; C3.2 1233.805,694.182 1234.596,694.973 1234.596,712.724 U1.3@1234.596,723.138
  Top Layer w1.2: 1235.598,730.304 1235.598,733.044 1235.598,739.711 ; C2.2@1237.234,740.283 1238.25,741.299 电源输入.1
  Bottom Layer w0.5: 寻光2.3 1173.861,688.467 1172.972,687.578 1172.972,685.038 1175.639,682.371 1175.639,676.402 1177.544,674.497 1182.878,674.497 1183.513,675.132 红外避障2.2 ; 预留接口.6 1179.449,750.316 1178.814,749.681 1178.814,743.712 1179.703,742.823 1193.673,742.823 1194.181,742.315 温湿度.1
  Bottom Layer w0.8: 超声波.1 超声波.1@1215.39,677.37 ; uno.14 超声波.1@1215.39,677.37 ; 红外避障1.2 1236.98,676.91 1235.583,678.307 1216.327,678.307 超声波.1@1215.39,677.37
  Bottom Layer w1: 蓝牙.2 1185.926,711.708 1187.577,710.057 U3.9 1201.039,700.532 1203.198,698.373 1213.612,698.373 ; U3.8 1201.039,731.901 uno.26 ; PS2.4 1213.739,692.785 1215.517,691.007 寻光1.3
GPIO0: WIFI.6
GPIO2: WIFI.4
NetD1_2: D1.2 L1.1 U1.2 | length 16
  Top Layer w1: D1.2 1230.136,700.546 1231.265,701.675 L1.1 1232.896,705.465 U1.2
NetLED1_1: LED1.1 R1.2 | length 2.3
  Top Layer w0.5: LED1.1 1180.607,737.601 R1.2
NetLS1_2: Q1.2 蜂鸣器.2 | length 5.4
  Top Layer w0.5: Q1.2 1209.715,741.553 蜂鸣器.2
NetQ1_1: Q1.1 R8.1 | length 2.9
  Top Layer w0.5: R8.1 1204.661,741.68 Q1.1
NetR5_2: R5.2 RG1.5 | length 2.9
  Top Layer w0.3: R5.2@1213.546,691.591 R5.2
  Top Layer w0.5: RG1.5 R5.2@1213.546,691.591
NetR6_2: R6.2 RG1.3 | length 3
  Top Layer w0.3: R6.2@1213.343,689.991 R6.2@1213.597,689.737
  Top Layer w0.5: RG1.3 R6.2@1213.343,689.991
NetR7_2: R7.2 RG1.1 | length 2.9
  Top Layer w0.3: R7.2@1213.546,688.391 R7.2
  Top Layer w0.5: RG1.1 R7.2@1213.546,688.391
POWER: C1.2 C2.1 R2.1 S1.2 S1.5 U1.1 U3.1 | length 60.4
  Top Layer w0.5: R2.1 1230.122,732.409 1230.63,732.917 1230.757,733.044 C1.2
  Top Layer w1: S1.2 S1.5 1225.931,741.68 1227.328,740.283 C2.1 C2.1@1230.63,739.823 ; 1227.836,728.726 1227.836,725.297 1227.836,714.756 1229.868,712.724 U1.1
  Top Layer w1.2: U3.1 1227.836,725.297 ; 1227.899,728.535 1230.63,731.266 1230.63,732.917 C2.1@1230.63,739.823
POWER_DC: S1.1 S1.4 电源输入.2 | length 13.1
  Top Layer w1: S1.1 S1.4 1228.725,746.125 电源输入.2
RST: WIFI.5
VCC: 
pads on no net: Designator40.1 Designator41.1 Designator42.1 Designator43.1 S1.3 S1.6 uno.15 uno.16 uno.17 uno.24 uno.29 寻光1.1 寻光2.1

## Keep-outs
Keep-Out Layer:
  the board outline again, w0.013

## Silkscreen, mask and mechanical layers (free items; w line width, h text height)
Top Overlay:
  text "GND" at 1174.877,749.808 h1.3
  text "A5" at 1185.926,749.808 h1.3
  text "3V3" at 1174.877,747.268 h1.3
  text "D10" at 1185.926,747.268 h1.3
  text "+5V" at 1174.75,744.728 h1.3
  text "D11" at 1185.926,744.728 h1.3
  text "+5" at 1183.894,716.534 h1.3 r90
  text "GND" at 1186.434,716.534 h1.2 r90
  text "TX" at 1188.974,716.534 h1.3 r90
  text "RX" at 1191.514,716.534 h1.3 r90
  text "A5" at 1206.627,696.468 h1.3 r90
  text "D3" at 1209.167,696.468 h1.3 r90
  text "+5" at 1211.707,696.468 h1.3 r90
  text "GND" at 1214.247,696.468 h1.2 r90
  text "D12" at 1216.787,696.468 h1.2 r90
  text "D13" at 1219.327,696.468 h1.2 r90

## Text inside footprints (layer, text, board x,y; h text height)
U3: Top Overlay "PWMA" at 1218.057,715.772 h1.2 r270; Top Overlay "VM" at 1218.057,723.773 h1.2 r270; Top Overlay "VCC" at 1215.517,723.9 h1.2 r270; Top Overlay "GND" at 1213.104,723.9 h1.2 r270; Top Overlay "AO1" at 1210.818,723.773 h1.2 r270; Top Overlay "AO2" at 1208.278,724.027 h1.2 r270; Top Overlay "BO2" at 1205.611,724.027 h1.2 r270; Top Overlay "BO1" at 1203.071,723.9 h1.2 r270; Top Overlay "GND" at 1200.404,724.027 h1.2 r270; Top Overlay "GND" at 1200.531,714.883 h1.2 r270; Top Overlay "PWMB" at 1202.944,715.772 h1.2 r270; Top Overlay "BIN2" at 1205.611,715.391 h1.2 r270; Top Overlay "BIN1" at 1208.024,714.883 h1.2 r270; Top Overlay "STBY" at 1210.564,715.518 h1.2 r270; Top Overlay "AIN1" at 1213.231,715.01 h1.2 r270; Top Overlay "AIN2" at 1215.644,715.391 h1.2 r270
WIFI: Top Overlay "ESP8266-01" at 1194.816,696.214 h1.4 r90